# KiCad board Inflorescent.kicad_pcb
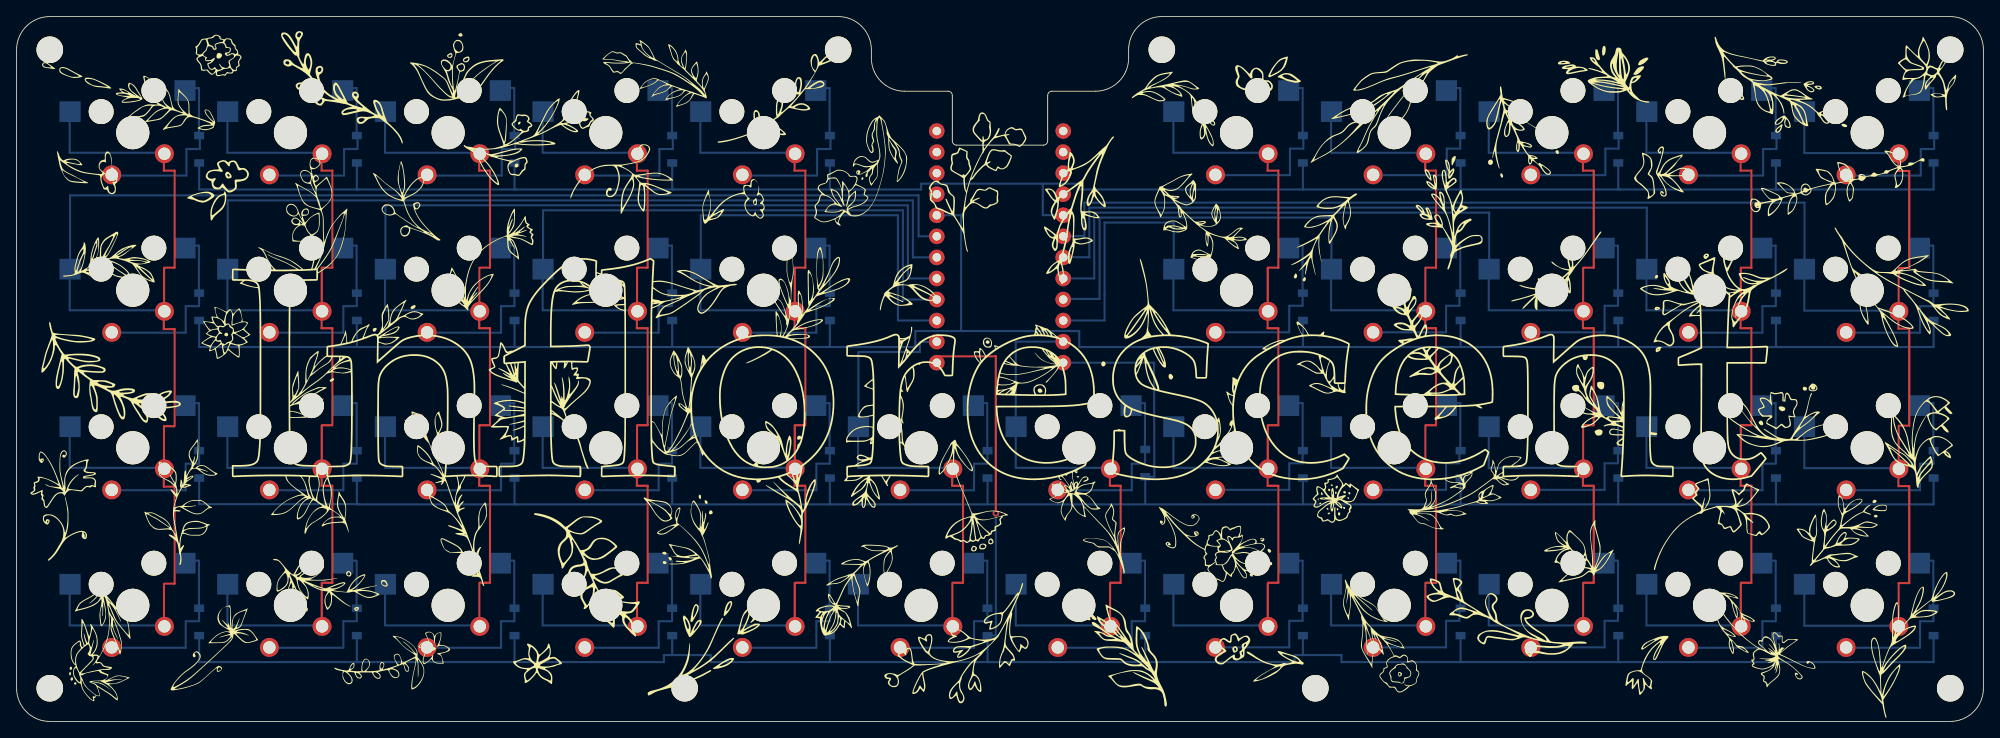
[diagram p0: board, top side]
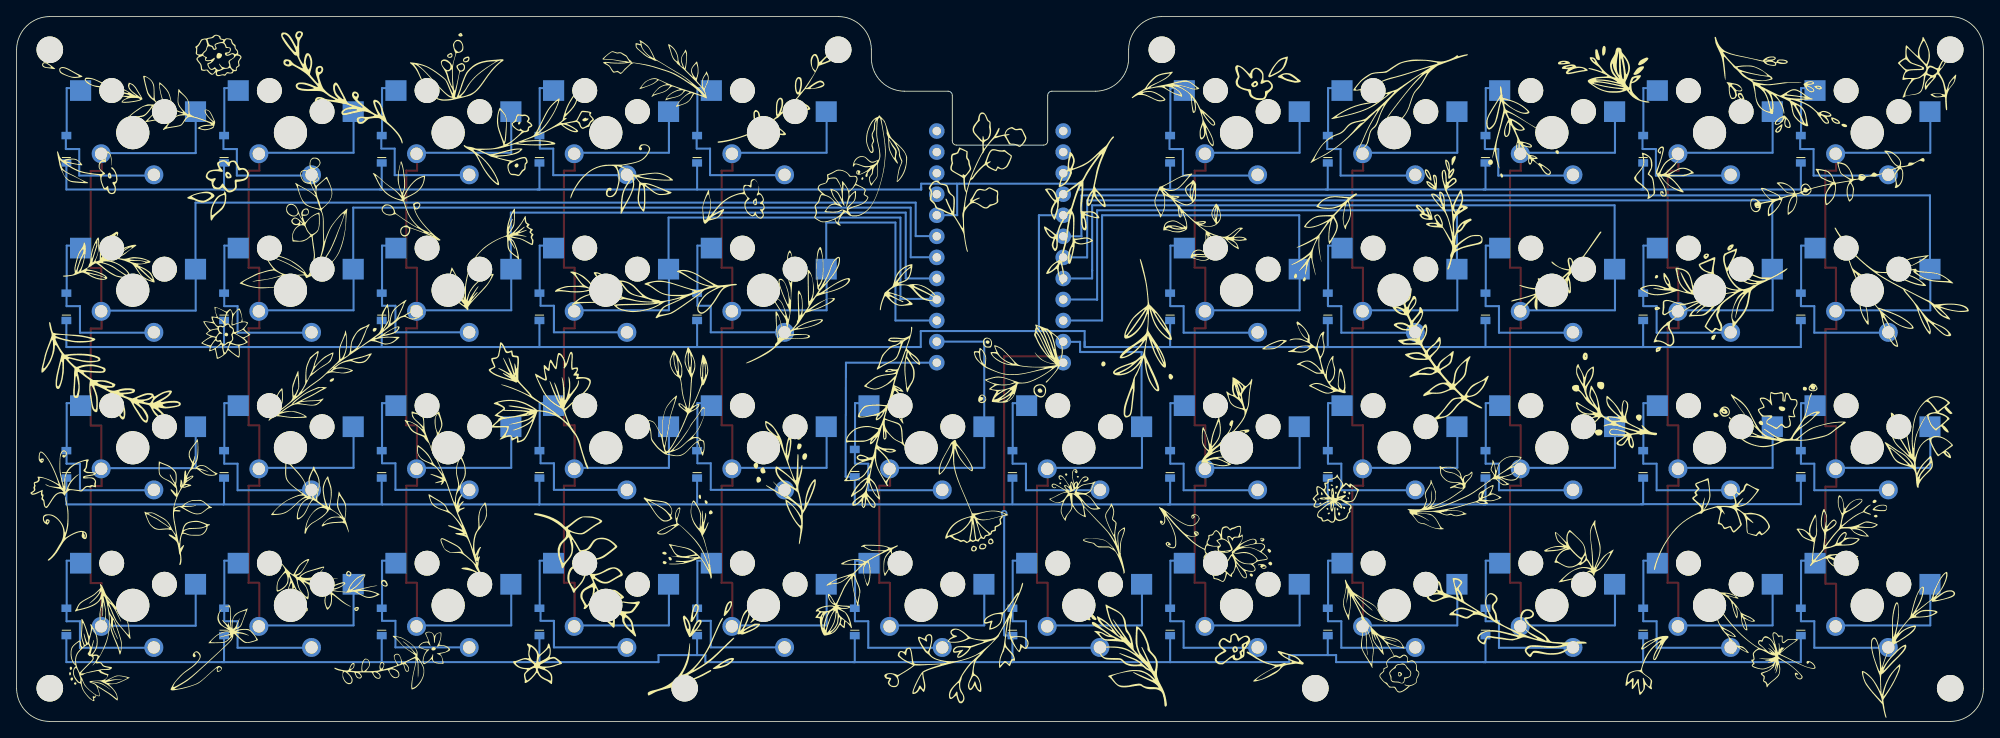
[diagram p1: board, bottom side, seen from below]

Outline 237 x 85 mm; copper layers: Top, Bottom. Coordinates in mm from the lower left corner of the outline.
Outline path: 0,81 0,4 arc(1.17,1.17) 4,0 233,0 arc(235.83,1.17) 237,4 237,81 arc(235.83,83.83) 233,85 138,85 arc(135.17,83.83) 134,81 134,80 arc(132.83,77.17) 130,76 124.75,76 arc(124.4,75.85) 124.25,75.5 124.25,70 arc(124.1,69.65) 123.75,69.5 113.25,69.5 arc(112.9,69.65) 112.75,70 112.75,75.5 arc(112.6,75.85) 112.25,76 107,76 arc(104.17,77.17) 103,80 103,81 arc(101.83,83.83) 99,85 4,85 arc(1.17,83.83) 0,81
Stack: Top 0.035mm / dielectric 1.51mm FR4 er 4.5 / Bottom 0.035mm

## Placement (name value [footprint] x y rotation side)
D1  D  [D_SOD-123_NoSilk]  22 69 90 bottom
D2  D  [D_SOD-123_NoSilk]  41 69 90 bottom
D3  D  [D_SOD-123_NoSilk]  60 69 90 bottom
D4  D  [D_SOD-123_NoSilk]  79 69 90 bottom
D5  D  [D_SOD-123_NoSilk]  98 69 90 bottom
D8  D  [D_SOD-123_NoSilk]  155 69 90 bottom
D9  D  [D_SOD-123_NoSilk]  174 69 90 bottom
D10  D  [D_SOD-123_NoSilk]  193 69 90 bottom
D11  D  [D_SOD-123_NoSilk]  212 69 90 bottom
D12  D  [D_SOD-123_NoSilk]  231 69 90 bottom
D13  D  [D_SOD-123_NoSilk]  22 50 90 bottom
D14  D  [D_SOD-123_NoSilk]  41 50 90 bottom
D15  D  [D_SOD-123_NoSilk]  60 50 90 bottom
D16  D  [D_SOD-123_NoSilk]  79 50 90 bottom
D17  D  [D_SOD-123_NoSilk]  98 50 90 bottom
D20  D  [D_SOD-123_NoSilk]  155 50 90 bottom
D21  D  [D_SOD-123_NoSilk]  174 50 90 bottom
D22  D  [D_SOD-123_NoSilk]  193 50 90 bottom
D23  D  [D_SOD-123_NoSilk]  212 50 90 bottom
D24  D  [D_SOD-123_NoSilk]  231 50 90 bottom
D25  D  [D_SOD-123_NoSilk]  22 31 90 bottom
D26  D  [D_SOD-123_NoSilk]  41 31 90 bottom
D27  D  [D_SOD-123_NoSilk]  60 31 90 bottom
D28  D  [D_SOD-123_NoSilk]  79 31 90 bottom
D29  D  [D_SOD-123_NoSilk]  98 31 90 bottom
D30  D  [D_SOD-123_NoSilk]  117 31 90 bottom
D31  D  [D_SOD-123_NoSilk]  136 31.15 90 bottom
D32  D  [D_SOD-123_NoSilk]  155 31 90 bottom
D33  D  [D_SOD-123_NoSilk]  174 31 90 bottom
D34  D  [D_SOD-123_NoSilk]  193 31 90 bottom
D35  D  [D_SOD-123_NoSilk]  212 31 90 bottom
D36  D  [D_SOD-123_NoSilk]  231 31 90 bottom
D37  D  [D_SOD-123_NoSilk]  22 12 90 bottom
D38  D  [D_SOD-123_NoSilk]  41 12 90 bottom
D39  D  [D_SOD-123_NoSilk]  60 12 90 bottom
D40  D  [D_SOD-123_NoSilk]  79 12 90 bottom
D41  D  [D_SOD-123_NoSilk]  98 12 90 bottom
D42  D  [D_SOD-123_NoSilk]  117 12 90 bottom
D43  D  [D_SOD-123_NoSilk]  136 12 90 bottom
D44  D  [D_SOD-123_NoSilk]  155 12 90 bottom
D45  D  [D_SOD-123_NoSilk]  174 12 90 bottom
D46  D  [D_SOD-123_NoSilk]  193 12 90 bottom
D47  D  [D_SOD-123_NoSilk]  212 12 90 bottom
D48  D  [D_SOD-123_NoSilk]  231 12 90 bottom
H1  MountingHole  [MountingHole_3.2mm_M3]  233 4 180 top
H2  MountingHole  [MountingHole_3.2mm_M3]  156.5 4 180 top
H3  MountingHole  [MountingHole_3.2mm_M3]  80.5 4 180 top
H4  MountingHole  [MountingHole_3.2mm_M3]  4 4 180 top
H5  MountingHole  [MountingHole_3.2mm_M3]  233 81 180 top
H6  MountingHole  [MountingHole_3.2mm_M3]  138 81 180 top
H7  MountingHole  [MountingHole_3.2mm_M3]  99 81 180 top
H8  MountingHole  [MountingHole_3.2mm_M3]  4 81 180 top
S1  FrontSilk  [FlowersBase]  118.5 42.5 0 top
S2  BackSilk  [FlowersTemplate]  118.5 42.5 180 bottom
SW1  SW_SPST  [Kailh_socket_MX_optional_platemount_No_Silk]  14 71 180 top
SW2  SW_SPST  [Kailh_socket_MX_optional_platemount_No_Silk]  33 71 180 top
SW3  SW_SPST  [Kailh_socket_MX_optional_platemount_No_Silk]  52 71 180 top
SW4  SW_SPST  [Kailh_socket_MX_optional_platemount_No_Silk]  71 71 180 top
SW5  SW_SPST  [Kailh_socket_MX_optional_platemount_No_Silk]  90 71 180 top
SW8  SW_SPST  [Kailh_socket_MX_optional_platemount_No_Silk]  147 71 180 top
SW9  SW_SPST  [Kailh_socket_MX_optional_platemount_No_Silk]  166 71 180 top
SW10  SW_SPST  [Kailh_socket_MX_optional_platemount_No_Silk]  185 71 180 top
SW11  SW_SPST  [Kailh_socket_MX_optional_platemount_No_Silk]  204 71 180 top
SW12  SW_SPST  [Kailh_socket_MX_optional_platemount_No_Silk]  223 71 180 top
SW13  SW_SPST  [Kailh_socket_MX_optional_platemount_No_Silk]  14 52 180 top
SW14  SW_SPST  [Kailh_socket_MX_optional_platemount_No_Silk]  33 52 180 top
SW15  SW_SPST  [Kailh_socket_MX_optional_platemount_No_Silk]  52 52 180 top
SW16  SW_SPST  [Kailh_socket_MX_optional_platemount_No_Silk]  71 52 180 top
SW17  SW_SPST  [Kailh_socket_MX_optional_platemount_No_Silk]  90 52 180 top
SW20  SW_SPST  [Kailh_socket_MX_optional_platemount_No_Silk]  147 52 180 top
SW21  SW_SPST  [Kailh_socket_MX_optional_platemount_No_Silk]  166 52 180 top
SW22  SW_SPST  [Kailh_socket_MX_optional_platemount_No_Silk]  185 52 180 top
SW23  SW_SPST  [Kailh_socket_MX_optional_platemount_No_Silk]  204 52 180 top
SW24  SW_SPST  [Kailh_socket_MX_optional_platemount_No_Silk]  223 52 180 top
SW25  SW_SPST  [Kailh_socket_MX_optional_platemount_No_Silk]  14 33 180 top
SW26  SW_SPST  [Kailh_socket_MX_optional_platemount_No_Silk]  33 33 180 top
SW27  SW_SPST  [Kailh_socket_MX_optional_platemount_No_Silk]  52 33 180 top
SW28  SW_SPST  [Kailh_socket_MX_optional_platemount_No_Silk]  71 33 180 top
SW29  SW_SPST  [Kailh_socket_MX_optional_platemount_No_Silk]  90 33 180 top
SW30  SW_SPST  [Kailh_socket_MX_optional_platemount_No_Silk]  109 33 180 top
SW31  SW_SPST  [Kailh_socket_MX_optional_platemount_No_Silk]  128 33 180 top
SW32  SW_SPST  [Kailh_socket_MX_optional_platemount_No_Silk]  147 33 180 top
SW33  SW_SPST  [Kailh_socket_MX_optional_platemount_No_Silk]  166 33 180 top
SW34  SW_SPST  [Kailh_socket_MX_optional_platemount_No_Silk]  185 33 180 top
SW35  SW_SPST  [Kailh_socket_MX_optional_platemount_No_Silk]  204 33 180 top
SW36  SW_SPST  [Kailh_socket_MX_optional_platemount_No_Silk]  223 33 180 top
SW37  SW_SPST  [Kailh_socket_MX_optional_platemount_No_Silk]  14 14 180 top
SW38  SW_SPST  [Kailh_socket_MX_optional_platemount_No_Silk]  33 14 180 top
SW39  SW_SPST  [Kailh_socket_MX_optional_platemount_No_Silk]  52 14 180 top
SW40  SW_SPST  [Kailh_socket_MX_optional_platemount_No_Silk]  71 14 180 top
SW41  SW_SPST  [Kailh_socket_MX_optional_platemount_No_Silk]  90 14 180 top
SW42  SW_SPST  [Kailh_socket_MX_optional_platemount_No_Silk]  109 14 180 top
SW43  SW_SPST  [Kailh_socket_MX_optional_platemount_No_Silk]  128 14 180 top
SW44  SW_SPST  [Kailh_socket_MX_optional_platemount_No_Silk]  147 14 180 top
SW45  SW_SPST  [Kailh_socket_MX_optional_platemount_No_Silk]  166 14 180 top
SW46  SW_SPST  [Kailh_socket_MX_optional_platemount_No_Silk]  185 14 180 top
SW47  SW_SPST  [Kailh_socket_MX_optional_platemount_No_Silk]  204 14 180 top
SW48  SW_SPST  [Kailh_socket_MX_optional_platemount_No_Silk]  223 14 180 top
U1  ProMicro  [Pro_Micro_No_Silk]  118.5 58.5 180 bottom

## Library data of the parts
D1-D5 D8-D17 D20-D48 = -: LCSC P/N: C64898; Manufacturer: Micro Commercial Components; P/N: SM4007PL

## Footprints (pads in the part's own frame, mm; a bottom-side part is the same pattern mirrored in y, then rotated)
D_SOD-123_NoSilk
  rect 0.9x1.2 smd: 1(-1.65,0) 2(1.65,0)
Kailh_socket_MX_optional_platemount_No_Silk
  round 3 hole 3 unplated: (-2.54,-5.08) (3.81,-2.54)
  round 3.988 hole 3.988 unplated: (0,0)
  rect 2.55x2.5 smd far side: 1(-6.29,-5.08) 2(7.56,-2.54)
  round 2.286 hole 1.499: 1(2.54,5.08) 2(-3.81,2.54)
MountingHole_3.2mm_M3
  round 3.2 hole 3.2 unplated: (0,0)
Pro_Micro_No_Silk
  round 1.88 hole 1.016: 1(-7.62,12.7) 2(-7.62,10.16) 3(-7.62,7.62) 4(-7.62,5.08) 5(-7.62,2.54) 6(-7.62,0) 7(-7.62,-2.54) 8(-7.62,-5.08) 9(-7.62,-7.62) 10(-7.62,-10.16) 11(-7.62,-12.7) 12(-7.62,-15.24) 13(7.62,-15.24) 14(7.62,-12.7) 15(7.62,-10.16) 16(7.62,-7.62) 17(7.62,-5.08) 18(7.62,-2.54) 19(7.62,0) 20(7.62,2.54) 21(7.62,5.08) 22(7.62,7.62) 23(7.62,10.16) 24(7.62,12.7)

## Nets
/COL0: SW1.2 SW13.2 SW25.2 SW37.2 U1.19
/COL1: SW2.2 SW14.2 SW26.2 SW38.2 U1.18
/COL2: SW3.2 SW15.2 SW27.2 SW39.2 U1.17
/COL3: SW4.2 SW16.2 SW28.2 SW40.2 U1.16
/COL4: SW5.2 SW17.2 SW29.2 SW41.2 U1.15
/COL5: SW30.2 SW42.2 U1.14
/COL6: SW31.2 SW43.2 U1.11
/COL7: SW8.2 SW20.2 SW32.2 SW44.2 U1.10
/COL8: SW9.2 SW21.2 SW33.2 SW45.2 U1.9
/COL9: SW10.2 SW22.2 SW34.2 SW46.2 U1.8
/COL10: SW11.2 SW23.2 SW35.2 SW47.2 U1.7
/COL11: SW12.2 SW24.2 SW36.2 SW48.2 U1.6
/ROW0: D1.1 D2.1 D3.1 D4.1 D5.1 D8.1 D9.1 D10.1 D11.1 D12.1 U1.5
/ROW1: D13.1 D14.1 D15.1 D16.1 D17.1 D20.1 D21.1 D22.1 D23.1 D24.1 U1.20
/ROW2: D25.1 D26.1 D27.1 D28.1 D29.1 D30.1 D31.1 D32.1 D33.1 D34.1 D35.1 D36.1 U1.12
/ROW3: D37.1 D38.1 D39.1 D40.1 D41.1 D42.1 D43.1 D44.1 D45.1 D46.1 D47.1 D48.1 U1.13
Net-(D1-Pad2): D1.2 SW1.1
Net-(D2-Pad2): D2.2 SW2.1
Net-(D3-Pad2): D3.2 SW3.1
Net-(D4-Pad2): D4.2 SW4.1
Net-(D5-Pad2): D5.2 SW5.1
Net-(D8-Pad2): D8.2 SW8.1
Net-(D9-Pad2): D9.2 SW9.1
Net-(D10-Pad2): D10.2 SW10.1
Net-(D11-Pad2): D11.2 SW11.1
Net-(D12-Pad2): D12.2 SW12.1
Net-(D13-Pad2): D13.2 SW13.1
Net-(D14-Pad2): D14.2 SW14.1
Net-(D15-Pad2): D15.2 SW15.1
Net-(D16-Pad2): D16.2 SW16.1
Net-(D17-Pad2): D17.2 SW17.1
Net-(D20-Pad2): D20.2 SW20.1
Net-(D21-Pad2): D21.2 SW21.1
Net-(D22-Pad2): D22.2 SW22.1
Net-(D23-Pad2): D23.2 SW23.1
Net-(D24-Pad2): D24.2 SW24.1
Net-(D25-Pad2): D25.2 SW25.1
Net-(D26-Pad2): D26.2 SW26.1
Net-(D27-Pad2): D27.2 SW27.1
Net-(D28-Pad2): D28.2 SW28.1
Net-(D29-Pad2): D29.2 SW29.1
Net-(D30-Pad2): D30.2 SW30.1
Net-(D31-Pad2): D31.2 SW31.1
Net-(D32-Pad2): D32.2 SW32.1
Net-(D33-Pad2): D33.2 SW33.1
Net-(D34-Pad2): D34.2 SW34.1
Net-(D35-Pad2): D35.2 SW35.1
Net-(D36-Pad2): D36.2 SW36.1
Net-(D37-Pad2): D37.2 SW37.1
Net-(D38-Pad2): D38.2 SW38.1
Net-(D39-Pad2): D39.2 SW39.1
Net-(D40-Pad2): D40.2 SW40.1
Net-(D41-Pad2): D41.2 SW41.1
Net-(D42-Pad2): D42.2 SW42.1
Net-(D43-Pad2): D43.2 SW43.1
Net-(D44-Pad2): D44.2 SW44.1
Net-(D45-Pad2): D45.2 SW45.1
Net-(D46-Pad2): D46.2 SW46.1
Net-(D47-Pad2): D47.2 SW47.1
Net-(D48-Pad2): D48.2 SW48.1

Pads without a net: U1 1 2 3 4 21 22 23 24

## Via types
v1: diameter 0.8, hole 0.4, Top to Bottom, 1 via

## Routing (per net, layer and track width the routed paths; a pad name or vN(x,y) marks a point on that pad's centre or on a via; arc(x,y) is an arc through that point)
/COL0: length 248.3
  Top w0.25: 17.76,11.47 17.76,16.59 ; 17.75,68.56 17.75,66.42 19.05,66.42 19.05,54.72 17.79,54.72 ; 17.73,30.45 17.73,28.31 19.03,28.31 19.03,16.61 17.78,16.61 ; 17.77,49.58 17.77,54.7 ; 17.76,30.47 17.76,35.59 ; 17.78,35.61 19.03,35.61 19.03,47.31 17.73,47.31 17.73,49.45
  Bottom w0.25: 17.77,30.58 6.41,30.58 ; 6.4,68.59 6.4,73.66 ; 6.4,49.59 6.4,54.66 ; 17.77,68.58 6.41,68.58 ; 110.65,58.5 110.65,58.5 108.7,58.5 108.69,58.51 108.69,63.44 6.44,63.44 SW13.2 ; 17.77,49.58 6.41,49.58 ; 6.4,11.59 6.4,16.66 ; 6.4,30.59 6.4,35.66 ; 17.77,11.58 6.41,11.58
/COL1: length 230.7
  Top w0.25: 36.75,68.56 36.75,66.42 38.05,66.42 38.05,54.72 36.79,54.72 ; 36.79,16.72 38.05,16.72 38.05,28.42 36.75,28.42 36.75,30.56 ; 36.79,35.72 38.05,35.72 38.05,47.42 36.75,47.42 36.75,49.56 ; 36.77,11.58 36.77,16.7 ; 36.77,30.58 36.77,35.7 ; 36.77,49.58 36.77,54.7
  Bottom w0.25: 36.77,68.58 25.41,68.58 ; SW14.2 25.44,62.84 108,62.84 108,55.97 108.01,55.96 110.65,55.96 ; 36.77,30.58 25.41,30.58 ; 25.4,68.59 25.4,73.66 ; 25.4,11.59 25.4,16.66 ; 25.4,49.59 25.4,54.66 ; 25.4,30.59 25.4,35.66 ; 36.77,49.58 25.41,49.58 ; 36.77,11.58 25.41,11.58
/COL2: length 213
  Top w0.25: 55.77,11.58 55.77,16.7 ; 55.74,49.56 55.74,47.42 57.04,47.42 57.04,35.72 55.79,35.72 ; 55.77,30.58 55.77,35.7 ; 55.79,54.72 57.04,54.72 57.04,66.42 55.74,66.42 55.74,68.56 ; 55.74,30.56 55.74,28.42 57.04,28.42 57.04,16.72 55.79,16.72 ; 55.77,49.58 55.77,54.7
  Bottom w0.25: 107.4,54.4 107.4,53.42 110.65,53.42 110.65,53.42 ; 107.4,54.4 107.4,54.35 ; 107.4,54.4 107.4,62.24 44.44,62.24 SW15.2 ; 44.4,68.59 44.4,73.66 ; 55.77,68.58 44.4,68.58 ; 44.4,11.59 44.4,16.66 ; 55.77,30.58 44.4,30.58 ; 55.77,49.58 44.4,49.58 ; 55.77,11.58 44.4,11.58 ; 44.4,30.59 44.4,35.66 ; 44.4,49.59 44.4,54.66
/COL3: length 195.3
  Top w0.25: 74.79,54.72 76.04,54.72 76.04,66.42 74.74,66.42 74.74,68.56 ; 74.79,35.72 76.04,35.72 76.04,47.42 74.74,47.42 74.74,49.56 ; 74.77,49.58 74.77,54.7 ; 74.74,30.56 74.74,28.42 76.04,28.42 76.04,16.72 74.79,16.72 ; 74.77,11.58 74.77,16.7 ; 74.77,30.58 74.77,35.7
  Bottom w0.25: SW16.2 63.44,61.64 106.8,61.64 106.8,50.88 106.81,50.88 110.65,50.88 ; 63.39,30.59 63.39,35.66 ; 63.39,68.59 63.39,73.66 ; 74.77,30.58 63.4,30.58 ; 74.77,49.58 63.4,49.58 ; 63.39,49.59 63.39,54.66 ; 63.39,11.59 63.39,16.66 ; 74.77,68.58 63.4,68.58 ; 74.77,11.58 63.4,11.58
/COL4: length 177.7
  Top w0.25: 93.79,16.72 95.04,16.72 95.04,28.42 93.74,28.42 93.74,30.56 ; 93.79,35.72 95.04,35.72 95.04,47.42 93.74,47.42 93.74,49.56 ; 93.74,68.56 93.74,66.42 95.04,66.42 95.04,54.72 93.79,54.72 ; 93.77,30.58 93.77,35.7 ; 93.77,49.58 93.77,54.7 ; 93.77,11.58 93.77,16.7
  Bottom w0.25: 93.77,11.58 82.4,11.58 ; 110.65,48.34 110.64,48.35 106.2,48.35 106.2,61.04 82.44,61.04 SW17.2 ; 82.39,68.59 82.39,73.66 ; 93.77,49.58 82.4,49.58 ; 93.77,30.58 82.4,30.58 ; 93.77,68.58 82.4,68.58 ; 82.39,11.59 82.39,16.66 ; 82.39,30.59 82.39,35.66 ; 82.39,49.59 82.39,54.66
/COL5: length 74.1
  Top w0.25: 112.79,16.72 114.04,16.72 114.04,28.42 112.74,28.42 112.74,30.56 ; 112.76,11.58 112.76,16.7
  Bottom w0.25: 112.76,11.58 101.4,11.58 ; 112.76,30.58 101.4,30.58 ; 110.85,45.78 108.85,45.78 108.85,44.55 101.45,44.55 101.44,44.54 SW30.2 ; 101.39,30.59 101.39,35.66 ; 110.85,46.6 110.88,46.57 ; 101.39,11.59 101.39,16.66
/COL6: length 70.1
  Top w0.25: 131.76,11.58 131.76,16.7 ; 131.74,30.56 131.74,28.42 133.04,28.42 133.04,16.72 131.79,16.72
  Bottom w0.25: 120.4,30.59 120.4,35.66 ; SW31.2 120.4,35.58 120.4,45.78 120.43,45.8 125.89,45.8 ; 120.4,11.59 120.4,16.66 ; 131.76,11.58 120.4,11.58 ; 131.76,30.58 120.4,30.58
/COL7: length 162.1
  Top w0.25: 150.79,16.72 152.04,16.72 152.04,28.42 150.74,28.42 150.74,30.56 ; 150.79,35.72 152.04,35.72 152.04,47.42 150.74,47.42 150.74,49.56 ; 150.76,49.58 150.76,54.7 ; 150.74,68.56 150.74,66.42 152.04,66.42 152.04,54.72 150.79,54.72 ; 150.76,30.58 150.76,35.7 ; 150.76,11.58 150.76,16.7
  Bottom w0.25: 150.76,49.58 139.4,49.58 ; 150.76,11.58 139.4,11.58 ; SW20.2 139.44,60.16 131.1,60.16 131.1,51.45 131.1,48.35 125.9,48.35 125.89,48.34 125.89,48.88 126.12,49.11 ; 150.76,30.58 139.4,30.58 ; 150.76,68.58 139.4,68.58 ; 139.4,11.59 139.4,16.66 ; 139.4,49.59 139.4,54.66 ; 139.4,68.59 139.4,73.66 ; 139.4,30.59 139.4,35.66
/COL8: length 179.3
  Top w0.25: 169.76,11.58 169.76,16.7 ; 169.79,54.72 171.04,54.72 171.04,66.42 169.74,66.42 169.74,68.56 ; 169.74,30.56 169.74,28.42 171.04,28.42 171.04,16.72 169.79,16.72 ; 169.76,30.58 169.76,35.7 ; 169.79,35.72 171.04,35.72 171.04,47.42 169.74,47.42 169.74,49.56 ; 169.76,49.58 169.76,54.7
  Bottom w0.25: 126.12,51.65 126.12,50.95 130.5,50.95 130.5,60.76 158.44,60.76 SW21.2 ; 169.76,68.58 158.4,68.58 ; 158.4,68.59 158.4,73.66 ; 169.76,49.58 158.4,49.58 ; 169.76,11.58 158.4,11.58 ; 158.4,11.59 158.4,16.66 ; 158.4,49.59 158.4,54.66 ; 169.76,30.58 158.4,30.58 ; 158.4,30.59 158.4,35.66
/COL9: length 196.3
  Top w0.25: 188.79,35.72 190.04,35.72 190.04,47.42 188.74,47.42 188.74,49.56 ; 188.74,30.56 188.74,28.42 190.04,28.42 190.04,16.72 188.79,16.72 ; 188.74,68.56 188.74,66.42 190.04,66.42 190.04,54.72 188.79,54.72 ; 188.76,49.58 188.76,54.7 ; 188.76,11.58 188.76,16.7 ; 188.76,30.58 188.76,35.7
  Bottom w0.25: 177.4,68.59 177.4,73.66 ; 188.76,30.58 177.4,30.58 ; 177.4,49.59 177.4,54.66 ; 188.76,68.58 177.4,68.58 ; 177.4,11.59 177.4,16.66 ; 188.76,11.58 177.4,11.58 ; 126.12,53.42 129.86,53.42 129.86,61.36 177.44,61.36 SW22.2 ; 188.76,49.58 177.4,49.58 ; 177.4,30.59 177.4,35.66
/COL10: length 214.7
  Top w0.25: 207.79,54.72 209.04,54.72 209.04,66.42 207.74,66.42 207.74,68.56 ; 207.74,49.56 207.74,47.42 209.04,47.42 209.04,35.72 207.79,35.72 ; 207.76,49.58 207.76,54.7 ; 207.79,16.72 209.04,16.72 209.04,28.42 207.74,28.42 207.74,30.56 ; 207.76,11.58 207.76,16.7 ; 207.76,30.58 207.76,35.7
  Bottom w0.25: 126.12,56.73 126.12,55.97 129.26,55.97 129.26,61.96 196.44,61.96 SW23.2 ; 196.4,49.59 196.4,54.66 ; 207.76,11.58 196.4,11.58 ; 196.4,68.59 196.4,73.66 ; 196.4,30.59 196.4,35.66 ; 196.4,11.59 196.4,16.66 ; 207.76,30.58 196.4,30.58 ; 207.76,49.58 196.4,49.58 ; 207.76,68.58 196.4,68.58
/COL11: length 232.4
  Top w0.25: 226.81,35.68 228.06,35.68 228.06,47.38 226.76,47.38 226.76,49.52 ; 226.79,11.54 226.79,16.66 226.81,16.68 228.06,16.68 228.06,28.38 226.76,28.38 226.76,30.52 ; 226.76,68.52 226.76,66.38 228.06,66.38 228.06,54.68 226.81,54.68 ; 226.79,30.54 226.79,35.66 ; 226.79,49.54 226.79,54.66
  Bottom w0.25: 226.79,11.54 215.43,11.54 ; 126.12,59.27 126.12,58.53 128.66,58.53 128.66,62.56 215.44,62.56 SW24.2 ; 215.42,49.55 215.42,54.62 ; 226.79,68.54 215.43,68.54 ; 226.79,49.54 215.43,49.54 ; 215.42,68.55 215.42,73.62 ; 226.79,30.54 215.43,30.54 ; 215.42,11.55 215.42,16.62 ; 215.42,30.55 215.42,35.62
/ROW0: length 250
  Bottom w0.25: 60,67.3 60,64.15 79.25,64.15 ; 60.25,64.15 41,64.15 41,67.3 ; 155,64.15 155,67.3 ; 155,64.15 174.25,64.15 ; 155,64.15 128,64.15 ; 98,67.3 98,64.15 108.95,64.15 109,64.2 109,64.85 128,64.85 128,64.15 ; 22,67.3 22,64.15 41.25,64.15 ; 128,64.15 128,64.4 ; 174,67.3 174,64.15 193.25,64.15 ; 79,67.3 79,64.15 98.25,64.15 ; 212.25,64.15 193,64.15 193,67.3 ; 212,67.3 212,64.15 231,64.15 D12.1 ; 123.72,64.85 123.66,64.78 123.66,61.05 125.88,61.05 125.89,61.04
/ROW1: length 263.7
  Bottom w0.25: 79,48.3 79,45.15 108.3,45.15 ; 60,48.3 60,45.15 79.25,45.15 ; 22,48.3 22,45.15 41.25,45.15 ; 113.82,47.08 113.81,47.09 113.81,61.03 113.8,61.04 110.65,61.04 ; 113.82,47.08 108.3,47.08 108.3,45.15 ; 113.82,47.08 128.05,47.08 128.05,45.15 155,45.15 ; 193.25,45.15 174,45.15 174,48.3 ; 108.3,45.15 108.3,45.8 ; 41,48.3 41,45.15 60.25,45.15 ; 193,48.3 193,45.15 212.25,45.15 ; 98,45.15 98,48.3 ; 174.25,45.15 155,45.15 ; 155,45.15 155,48.3 ; 212,48.3 212,45.15 231,45.15 D24.1
/ROW2: length 274.1
  Bottom w0.25: 41,26.19 41,29.4 ; 155.03,26.17 155,26.2 D32.1 ; 155.03,26.17 98.02,26.17 ; 155.03,26.17 174.03,26.17 ; 174.03,26.17 192.93,26.17 ; 174.03,26.17 174,26.2 D33.1 ; 192.93,26.17 212.07,26.17 ; 192.93,26.17 193,26.24 D34.1 ; D31.1 137.1,29.5 137.06,43.26 125.89,43.26 ; 41.25,26.2 22,26.2 D25.1 ; 117,26.19 117,29.4 ; D35.1 212,26.24 212.07,26.17 ; 212.07,26.17 231,26.17 D36.1 ; 136,26.19 136,29.4 ; 79,26.19 79,29.4 ; 60.02,26.17 98.27,26.17 ; 60,26.19 60,29.4 ; 98,26.19 98,29.4 ; 41.02,26.17 60.27,26.17
/ROW3: length 291.7
  Top w0.25: 110.88,44.03 117.97,44.03 118,44 v1(118,25.1)
  Bottom w0.25: 212,10.3 212,7.15 231,7.15 D48.1 ; 117,10.3 117,7.15 136.25,7.15 ; 212.25,7.15 193,7.15 193,10.3 ; 41,10.3 41,7.15 60.25,7.15 ; 60,10.3 60,7.15 78,7.15 78,8 79,8 ; 174,7.15 174,10.3 ; 174,7.15 159.65,7.15 159.65,8 155,8 ; 174,7.15 193.25,7.15 ; 155,8 155,10.3 ; 155,8 154,8 154,7.15 136,7.15 136,10.3 ; 98,7.15 83.65,7.15 83.65,8 79,8 ; 98,7.15 98,10.3 ; 98,7.15 117.25,7.15 ; 41.25,7.15 22,7.15 22,10.3 ; 118,10.4 v1(118,25.1) ; 79,8 79,10.3 ; D42.1 117.95,10.35
Net-(D1-Pad2): length 22.4
  Bottom w0.25: 22.06,69.03 20.47,69.03 20.47,65.83 11.66,65.83 ; 21.97,70.84 21.97,76.38 20.37,76.38 ; 22.08,70.68 22.08,69.04
Net-(D2-Pad2): length 22.4
  Bottom w0.25: 41.06,69.03 39.47,69.03 39.47,65.83 30.66,65.83 ; 41.08,70.68 41.08,69.04 ; 40.97,70.84 40.97,76.38 39.37,76.38
Net-(D3-Pad2): length 22.4
  Bottom w0.25: 58.36,76.38 59.97,76.38 59.97,70.84 ; 49.65,65.83 58.46,65.83 58.46,69.03 60.06,69.03 ; 60.07,70.68 60.07,69.04
Net-(D4-Pad2): length 22.4
  Bottom w0.25: 79.07,70.68 79.07,69.04 ; 79.06,69.03 77.46,69.03 77.46,65.83 68.65,65.83 ; 78.97,70.84 78.97,76.38 77.36,76.38
Net-(D5-Pad2): length 22.4
  Bottom w0.25: 98.07,70.68 98.07,69.04 ; 98.06,69.03 96.46,69.03 96.46,65.83 87.65,65.83 ; 97.97,70.84 97.97,76.38 96.36,76.38
Net-(D8-Pad2): length 22.4
  Bottom w0.25: 155.04,69.08 153.44,69.08 153.44,65.88 144.63,65.88 ; 155.05,70.73 155.05,69.09 ; 154.97,70.84 154.97,76.38 153.37,76.38
Net-(D9-Pad2): length 22.4
  Bottom w0.25: 173.95,70.73 173.95,69.09 ; 173.94,69.08 172.34,69.08 172.34,65.88 163.53,65.88 ; 172.37,76.38 173.97,76.38 173.97,70.84
Net-(D10-Pad2): length 22.4
  Bottom w0.25: 192.97,70.84 192.97,76.38 191.37,76.38 ; 193.04,69.08 191.44,69.08 191.44,65.88 182.63,65.88 ; 193.05,70.73 193.05,69.09
Net-(D11-Pad2): length 22.4
  Bottom w0.25: 210.37,76.38 211.97,76.38 211.97,70.84 ; 212.06,69.03 210.46,69.03 210.46,65.83 201.65,65.83 ; 212.07,70.68 212.07,69.04
Net-(D12-Pad2): length 22.4
  Bottom w0.25: 230.97,70.84 230.97,76.38 229.36,76.38 ; 220.65,65.83 229.45,65.83 229.45,69.03 231.05,69.03 231.06,69.04 231.06,70.68
Net-(D13-Pad2): length 22.4
  Bottom w0.25: 21.99,51.73 21.99,50.09 ; 20.37,57.38 21.97,57.38 21.97,51.84 ; 21.98,50.08 20.38,50.08 20.38,46.88 11.57,46.88
Net-(D14-Pad2): length 22.4
  Bottom w0.25: 40.98,50.08 39.38,50.08 39.38,46.88 30.57,46.88 ; 40.97,51.84 40.97,57.38 39.37,57.38 ; 40.99,51.73 40.99,50.09
Net-(D15-Pad2): length 22.4
  Bottom w0.25: 59.98,51.73 59.98,50.09 ; 59.96,51.84 59.96,57.38 58.36,57.38 ; 59.97,50.08 58.37,50.08 58.37,46.88 49.56,46.88
Net-(D16-Pad2): length 22.4
  Bottom w0.25: 78.97,50.08 77.37,50.08 77.37,46.88 68.56,46.88 ; 78.98,51.73 78.98,50.09 ; 78.96,51.84 78.96,57.38 77.36,57.38
Net-(D17-Pad2): length 22.4
  Bottom w0.25: 96.36,57.38 97.96,57.38 97.96,51.84 ; 97.98,51.73 97.98,50.09 ; 87.56,46.88 96.37,46.88 96.37,50.08 97.97,50.08
Net-(D20-Pad2): length 22.4
  Bottom w0.25: 144.54,46.93 153.35,46.93 153.35,50.13 154.95,50.13 ; 153.36,57.38 154.96,57.38 154.96,51.84 ; 154.97,51.78 154.97,50.14
Net-(D21-Pad2): length 22.4
  Bottom w0.25: 173.85,50.13 172.25,50.13 172.25,46.93 163.44,46.93 ; 173.87,51.78 173.87,50.14 ; 173.96,51.84 173.96,57.38 172.36,57.38
Net-(D22-Pad2): length 22.4
  Bottom w0.25: 192.97,51.78 192.97,50.14 ; 191.36,57.38 192.96,57.38 192.96,51.84 ; 192.95,50.13 191.35,50.13 191.35,46.93 182.54,46.93
Net-(D23-Pad2): length 22.4
  Bottom w0.25: 211.96,51.84 211.96,57.38 210.36,57.38 ; 211.99,51.73 211.99,50.09 ; 211.97,50.08 210.37,50.08 210.37,46.88 201.56,46.88
Net-(D24-Pad2): length 22.4
  Bottom w0.25: 230.96,51.84 230.96,57.38 229.36,57.38 ; 230.98,51.73 230.98,50.09 230.97,50.08 229.37,50.08 229.37,46.88 220.56,46.88
Net-(D25-Pad2): length 22.4
  Bottom w0.25: 21.97,32.84 21.97,38.38 20.37,38.38 ; 21.98,31.08 20.38,31.08 20.38,27.88 11.57,27.88 ; 21.99,32.73 21.99,31.09
Net-(D26-Pad2): length 22.4
  Bottom w0.25: 30.57,27.88 39.38,27.88 39.38,31.08 40.98,31.08 ; 40.99,32.73 40.99,31.09 ; 40.97,32.84 40.97,38.38 39.37,38.38
Net-(D27-Pad2): length 22.4
  Bottom w0.25: 59.97,32.84 59.97,38.38 58.36,38.38 ; 59.97,31.08 58.37,31.08 58.37,27.88 49.56,27.88 ; 59.98,32.73 59.98,31.09
Net-(D28-Pad2): length 22.4
  Bottom w0.25: 77.36,38.38 78.97,38.38 78.97,32.84 ; 78.98,32.73 78.98,31.09 ; 68.56,27.88 77.37,27.88 77.37,31.08 78.97,31.08
Net-(D29-Pad2): length 22.4
  Bottom w0.25: 97.98,32.73 97.98,31.09 ; 97.97,31.08 96.37,31.08 96.37,27.88 87.56,27.88 ; 96.36,38.38 97.97,38.38 97.97,32.84
Net-(D30-Pad2): length 22.4
  Bottom w0.25: 116.99,32.73 116.99,31.09 ; 106.56,27.88 115.37,27.88 115.37,31.08 116.97,31.08 ; 115.37,38.38 116.97,38.38 116.97,32.84
Net-(D31-Pad2): length 22.4
  Bottom w0.25: 125.56,27.88 134.37,27.88 134.37,31.08 135.97,31.08 ; 134.37,38.38 135.97,38.38 135.97,32.84 ; 135.99,32.73 135.99,31.09
Net-(D32-Pad2): length 22.4
  Bottom w0.25: 153.37,38.38 154.97,38.38 154.97,32.84 ; 154.97,32.78 154.97,31.14 ; 154.95,31.13 153.35,31.13 153.35,27.93 144.54,27.93
Net-(D33-Pad2): length 22.4
  Bottom w0.25: 173.87,32.78 173.87,31.14 ; 173.85,31.13 172.25,31.13 172.25,27.93 163.44,27.93 ; 172.37,38.38 173.97,38.38 173.97,32.84
Net-(D34-Pad2): length 22.4
  Bottom w0.25: 192.95,31.13 191.35,31.13 191.35,27.93 182.54,27.93 ; 192.97,32.84 192.97,38.38 191.37,38.38 ; 192.97,32.78 192.97,31.14
Net-(D35-Pad2): length 22.4
  Bottom w0.25: 210.37,38.38 211.97,38.38 211.97,32.84 ; 211.99,32.73 211.99,31.09 ; 211.97,31.08 210.37,31.08 210.37,27.88 201.56,27.88
Net-(D36-Pad2): length 22.4
  Bottom w0.25: 230.97,32.84 230.97,38.38 229.36,38.38 ; 230.98,32.73 230.98,31.09 230.97,31.08 229.37,31.08 229.37,27.88 220.56,27.88
Net-(D37-Pad2): length 22.4
  Bottom w0.25: 21.97,13.84 21.97,19.38 20.37,19.38 ; 11.57,8.88 20.38,8.88 20.38,12.08 21.98,12.08 ; 21.99,13.73 21.99,12.09
Net-(D38-Pad2): length 22.4
  Bottom w0.25: 40.97,13.84 40.97,19.38 39.37,19.38 ; 40.98,12.08 39.38,12.08 39.38,8.88 30.57,8.88 ; 40.99,13.73 40.99,12.09
Net-(D39-Pad2): length 22.4
  Bottom w0.25: 49.56,8.88 58.37,8.88 58.37,12.08 59.97,12.08 ; 58.36,19.38 59.97,19.38 59.97,13.84 ; 59.98,13.73 59.98,12.09
Net-(D40-Pad2): length 22.4
  Bottom w0.25: 77.36,19.38 78.97,19.38 78.97,13.84 ; 68.56,8.88 77.37,8.88 77.37,12.08 78.97,12.08 ; 78.98,13.73 78.98,12.09
Net-(D41-Pad2): length 22.4
  Bottom w0.25: 97.97,12.08 96.37,12.08 96.37,8.88 87.56,8.88 ; 97.98,13.73 97.98,12.09 ; 96.36,19.38 97.97,19.38 97.97,13.84
Net-(D42-Pad2): length 22.4
  Bottom w0.25: 116.97,12.08 115.37,12.08 115.37,8.88 106.56,8.88 ; 116.97,13.84 116.97,19.38 115.37,19.38 ; 116.99,13.73 116.99,12.09
Net-(D43-Pad2): length 22.4
  Bottom w0.25: 135.99,13.73 135.99,12.09 ; 125.56,8.88 134.37,8.88 134.37,12.08 135.97,12.08 ; 135.97,13.84 135.97,19.38 134.37,19.38
Net-(D44-Pad2): length 22.4
  Bottom w0.25: 154.95,12.13 153.35,12.13 153.35,8.93 144.54,8.93 ; 154.97,13.84 154.97,19.38 153.37,19.38 ; 154.97,13.78 154.97,12.14
Net-(D45-Pad2): length 22.4
  Bottom w0.25: 172.37,19.38 173.97,19.38 173.97,13.84 ; 173.87,13.78 173.87,12.14 ; 173.85,12.13 172.25,12.13 172.25,8.93 163.44,8.93
Net-(D46-Pad2): length 22.4
  Bottom w0.25: 192.97,13.84 192.97,19.38 191.37,19.38 ; 192.97,13.78 192.97,12.14 ; 182.54,8.93 191.35,8.93 191.35,12.13 192.95,12.13
Net-(D47-Pad2): length 22.4
  Bottom w0.25: 211.97,12.08 210.37,12.08 210.37,8.88 201.56,8.88 ; 210.37,19.38 211.97,19.38 211.97,13.84 ; 211.99,13.73 211.99,12.09
Net-(D48-Pad2): length 22.4
  Bottom w0.25: 230.97,13.84 230.97,19.38 229.36,19.38 ; 230.98,13.73 230.98,12.09 230.97,12.08 229.37,12.08 229.37,8.88 220.56,8.88
